# KiCad board keyboard.kicad_pcb
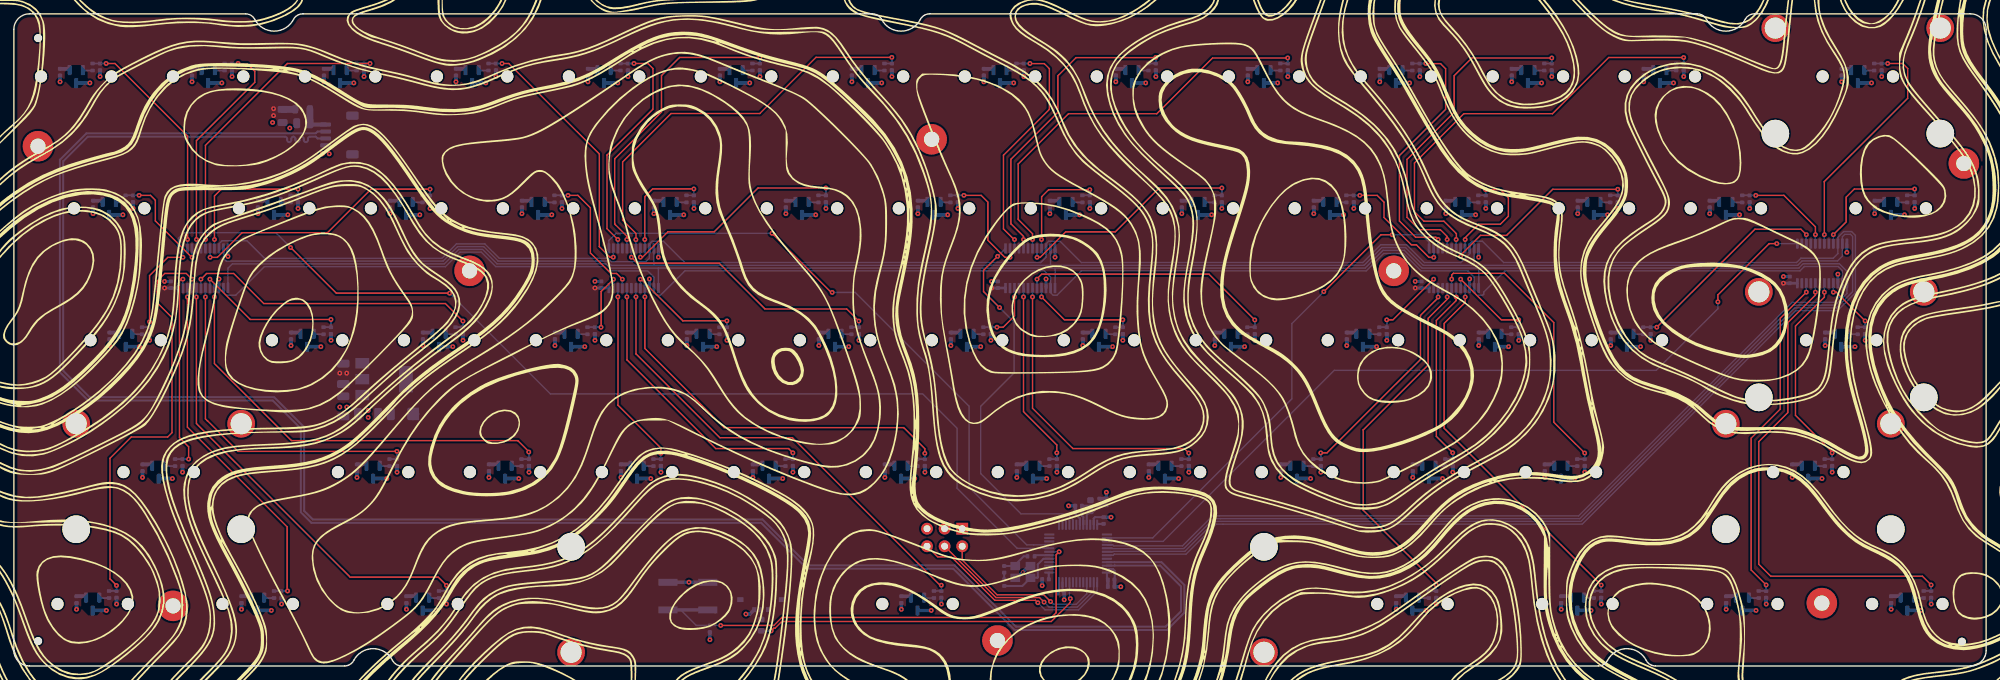
[diagram p0: board, top side]
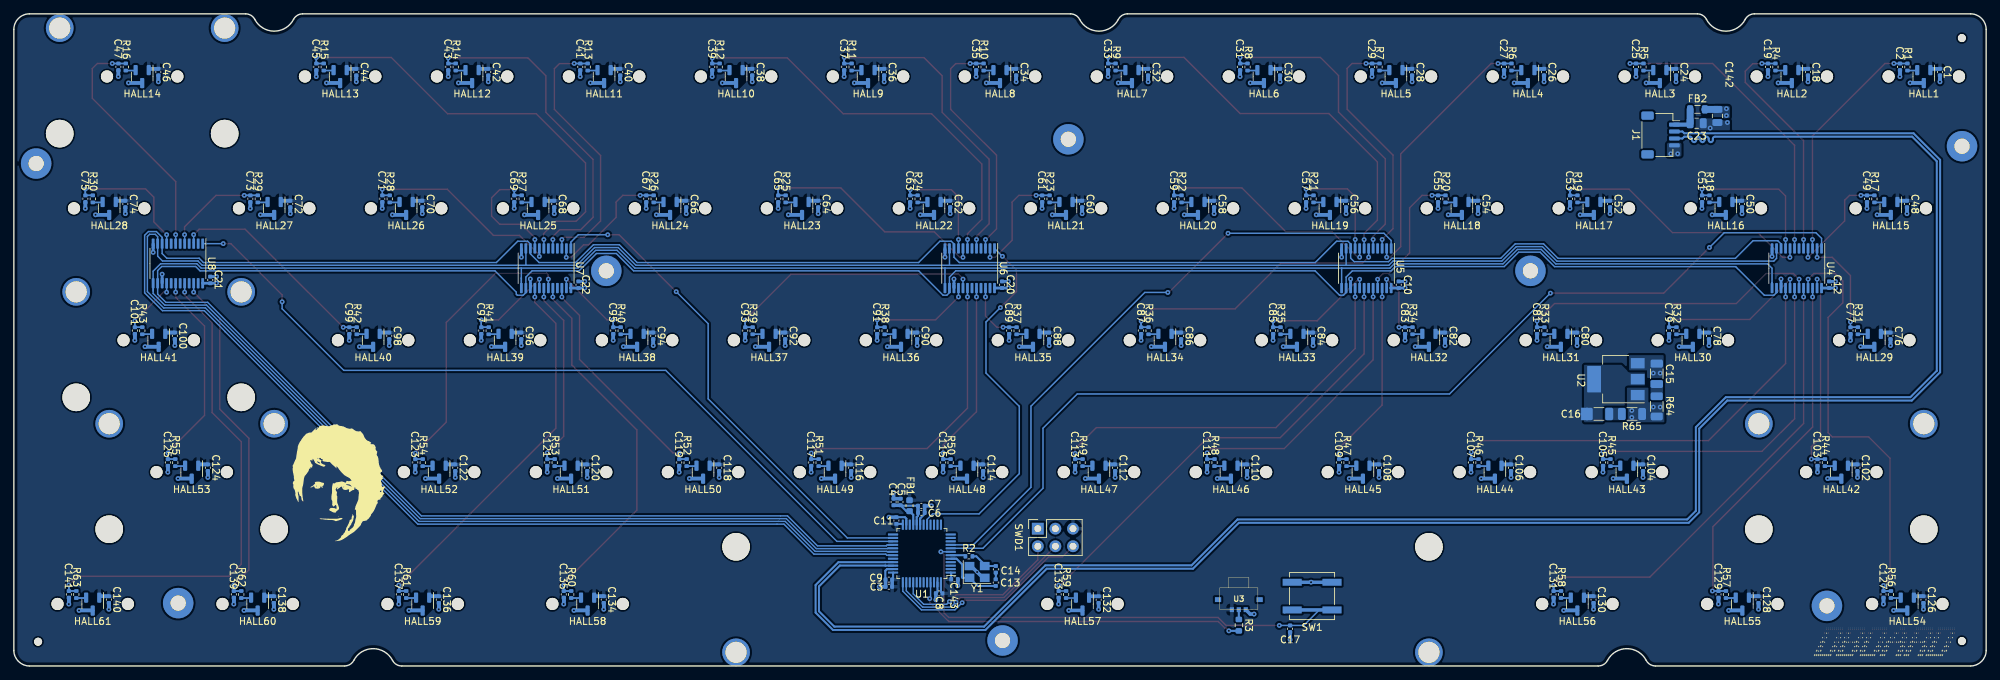
[diagram p1: board, bottom side, seen from below]

Outline 284.7 x 94.2 mm; copper layers: Top, In1.Cu (plane), In2.Cu (plane), Bottom. Coordinates in mm from the lower left corner of the outline.
Outline path: 0,91.95 arc(0.66,93.54) 2.25,94.2 33.45,94.2 arc(34.23,93.98) 34.78,93.39 arc(37.57,91.7) 40.37,93.39 arc(40.92,93.98) 41.7,94.2 123.94,94.2 arc(124.72,93.98) 125.27,93.39 arc(128.06,91.7) 130.86,93.39 arc(131.41,93.98) 132.19,94.2 243,94.2 arc(243.78,93.98) 244.33,93.39 arc(247.12,91.7) 249.92,93.39 arc(250.47,93.98) 251.25,94.2 282.45,94.2 arc(284.04,93.54) 284.7,91.95 284.7,2.25 arc(284.04,0.66) 282.45,0 236.96,0 arc(236.18,0.22) 235.63,0.81 arc(232.84,2.5) 230.04,0.81 arc(229.49,0.22) 228.71,0 55.99,0 arc(55.21,0.22) 54.66,0.81 arc(51.86,2.5) 49.07,0.81 arc(48.52,0.22) 47.74,0 2.25,0 arc(0.66,0.66) 0,2.25 0,91.95
Stack: Top 0.035mm / dielectric 0.2104mm FR4 er 4.4 / In1.Cu 0.0152mm / dielectric 1.065mm FR4 er 4.6 / In2.Cu 0.0152mm / dielectric 0.2104mm FR4 er 4.6 / Bottom 0.035mm

## Placement (name value [footprint] x y rotation side)
C1  100n  [C_0402_1005Metric]  6.67 85.79 270 bottom
C2  100n  [C_0402_1005Metric]  12.44 86.54 270 bottom
C3  4u7/10v  [C_0402_1005Metric]  158.39 11.44 0 bottom
C4  10nf/10v  [C_0402_1005Metric]  157.71 23.69 90 bottom
C5  1uf/10v  [C_0402_1005Metric]  156.71 23.69 90 bottom
C6  1uf/10v  [C_0402_1005Metric]  153.7 22.13 180 bottom
C7  10nf/10v  [C_0402_1005Metric]  153.7 23.13 180 bottom
C8  100nf  [C_0402_1005Metric]  151.13 10.48 0 bottom
C9  100nf  [C_0402_1005Metric]  158.39 12.47 0 bottom
C10  100n  [C_0402_1005Metric]  84.79 55.07 90 bottom
C11  100nf  [C_0402_1005Metric]  157.3 21 90 bottom
C12  100n  [C_0402_1005Metric]  22.66 55.07 90 bottom
C13  33pf  [C_0402_1005Metric]  142.96 12.04 90 bottom
C14  33pf  [C_0402_1005Metric]  142.95 13.96 270 bottom
C15  10u  [C_1206_3216Metric]  47.55 42.2 270 bottom
C16  100u  [C_1206_3216Metric]  55.89 36.4 180 bottom
C17  100nf  [C_0402_1005Metric]  100.47 5.37 90 bottom
C18  100n  [C_0402_1005Metric]  25.72 85.79 270 bottom
C19  100n  [C_0402_1005Metric]  31.49 86.54 270 bottom
C20  100n  [C_0402_1005Metric]  142.05 55.07 90 bottom
C21  100n  [C_0402_1005Metric]  256.35 55.76 90 bottom
C22  100n  [C_0402_1005Metric]  203.2 55.07 90 bottom
C23  2u2  [C_0805_2012Metric]  41.78 78.4 180 bottom
C24  100n  [C_0402_1005Metric]  44.77 85.79 270 bottom
C25  100n  [C_0402_1005Metric]  50.54 86.54 270 bottom
C26  100n  [C_0402_1005Metric]  63.82 85.79 270 bottom
C27  100n  [C_0402_1005Metric]  69.59 86.54 270 bottom
C28  100n  [C_0402_1005Metric]  82.87 85.79 270 bottom
C29  100n  [C_0402_1005Metric]  88.64 86.54 270 bottom
C30  100n  [C_0402_1005Metric]  101.92 85.79 270 bottom
C31  100n  [C_0402_1005Metric]  107.69 86.54 270 bottom
C32  100n  [C_0402_1005Metric]  120.97 85.79 270 bottom
C33  100n  [C_0402_1005Metric]  126.74 86.54 270 bottom
C34  100n  [C_0402_1005Metric]  140.02 85.79 270 bottom
C35  100n  [C_0402_1005Metric]  145.79 86.54 270 bottom
C36  100n  [C_0402_1005Metric]  159.07 85.79 270 bottom
C37  100n  [C_0402_1005Metric]  164.84 86.54 270 bottom
C38  100n  [C_0402_1005Metric]  178.12 85.79 270 bottom
C39  100n  [C_0402_1005Metric]  183.89 86.54 270 bottom
C40  100n  [C_0402_1005Metric]  197.17 85.79 270 bottom
C41  100n  [C_0402_1005Metric]  202.94 86.54 270 bottom
C42  100n  [C_0402_1005Metric]  216.22 85.79 270 bottom
C43  100n  [C_0402_1005Metric]  221.99 86.54 270 bottom
C44  100n  [C_0402_1005Metric]  235.27 85.79 270 bottom
C45  100n  [C_0402_1005Metric]  241.04 86.54 270 bottom
C46  100n  [C_0402_1005Metric]  263.84 85.79 270 bottom
C47  100n  [C_0402_1005Metric]  269.61 86.54 270 bottom
C48  100n  [C_0402_1005Metric]  11.43 66.74 270 bottom
C49  100n  [C_0402_1005Metric]  17.2 67.49 270 bottom
C50  100n  [C_0402_1005Metric]  35.24 66.74 270 bottom
C51  100n  [C_0402_1005Metric]  41.01 67.49 270 bottom
C52  100n  [C_0402_1005Metric]  54.29 66.74 270 bottom
C53  100n  [C_0402_1005Metric]  60.06 67.49 270 bottom
C54  100n  [C_0402_1005Metric]  73.34 66.74 270 bottom
C55  100n  [C_0402_1005Metric]  79.11 67.49 270 bottom
C56  100n  [C_0402_1005Metric]  92.39 66.74 270 bottom
C57  100n  [C_0402_1005Metric]  98.16 67.49 270 bottom
C58  100n  [C_0402_1005Metric]  111.44 66.74 270 bottom
C59  100n  [C_0402_1005Metric]  117.21 67.49 270 bottom
C60  100n  [C_0402_1005Metric]  130.49 66.74 270 bottom
C61  100n  [C_0402_1005Metric]  136.26 67.49 270 bottom
C62  100n  [C_0402_1005Metric]  149.54 66.74 270 bottom
C63  100n  [C_0402_1005Metric]  155.31 67.49 270 bottom
C64  100n  [C_0402_1005Metric]  168.59 66.74 270 bottom
C65  100n  [C_0402_1005Metric]  174.36 67.49 270 bottom
C66  100n  [C_0402_1005Metric]  187.64 66.74 270 bottom
C67  100n  [C_0402_1005Metric]  193.41 67.49 270 bottom
C68  100n  [C_0402_1005Metric]  206.69 66.74 270 bottom
C69  100n  [C_0402_1005Metric]  212.46 67.49 270 bottom
C70  100n  [C_0402_1005Metric]  225.74 66.74 270 bottom
C71  100n  [C_0402_1005Metric]  231.51 67.49 270 bottom
C72  100n  [C_0402_1005Metric]  244.79 66.74 270 bottom
C73  100n  [C_0402_1005Metric]  250.56 67.49 270 bottom
C74  100n  [C_0402_1005Metric]  268.6 66.74 270 bottom
C75  100n  [C_0402_1005Metric]  274.37 67.49 270 bottom
C76  100n  [C_0402_1005Metric]  13.81 47.69 270 bottom
C77  100n  [C_0402_1005Metric]  19.58 48.44 270 bottom
C78  100n  [C_0402_1005Metric]  40 47.69 270 bottom
C79  100n  [C_0402_1005Metric]  45.77 48.44 270 bottom
C80  100n  [C_0402_1005Metric]  59.05 47.69 270 bottom
C81  100n  [C_0402_1005Metric]  64.82 48.44 270 bottom
C82  100n  [C_0402_1005Metric]  78.1 47.69 270 bottom
C83  100n  [C_0402_1005Metric]  83.87 48.44 270 bottom
C84  100n  [C_0402_1005Metric]  97.15 47.69 270 bottom
C85  100n  [C_0402_1005Metric]  102.92 48.44 270 bottom
C86  100n  [C_0402_1005Metric]  116.2 47.69 270 bottom
C87  100n  [C_0402_1005Metric]  121.97 48.44 270 bottom
C88  100n  [C_0402_1005Metric]  135.25 47.69 270 bottom
C89  100n  [C_0402_1005Metric]  141.02 48.44 270 bottom
C90  100n  [C_0402_1005Metric]  154.3 47.69 270 bottom
C91  100n  [C_0402_1005Metric]  160.07 48.44 270 bottom
C92  100n  [C_0402_1005Metric]  173.35 47.69 270 bottom
C93  100n  [C_0402_1005Metric]  179.12 48.44 270 bottom
C94  100n  [C_0402_1005Metric]  192.4 47.69 270 bottom
C95  100n  [C_0402_1005Metric]  198.17 48.44 270 bottom
C96  100n  [C_0402_1005Metric]  211.45 47.69 270 bottom
C97  100n  [C_0402_1005Metric]  217.22 48.44 270 bottom
C98  100n  [C_0402_1005Metric]  230.5 47.69 270 bottom
C99  100n  [C_0402_1005Metric]  236.27 48.44 270 bottom
C100  100n  [C_0402_1005Metric]  261.46 47.69 270 bottom
C101  100n  [C_0402_1005Metric]  267.23 48.44 270 bottom
C102  100n  [C_0402_1005Metric]  18.57 28.64 270 bottom
C103  100n  [C_0402_1005Metric]  24.34 29.39 270 bottom
C104  100n  [C_0402_1005Metric]  49.53 28.64 270 bottom
C105  100n  [C_0402_1005Metric]  55.3 29.39 270 bottom
C106  100n  [C_0402_1005Metric]  68.58 28.64 270 bottom
C107  100n  [C_0402_1005Metric]  74.35 29.39 270 bottom
C108  100n  [C_0402_1005Metric]  87.63 28.64 270 bottom
C109  100n  [C_0402_1005Metric]  93.4 29.39 270 bottom
C110  100n  [C_0402_1005Metric]  106.68 28.64 270 bottom
C111  100n  [C_0402_1005Metric]  112.45 29.39 270 bottom
C112  100n  [C_0402_1005Metric]  125.73 28.64 270 bottom
C113  100n  [C_0402_1005Metric]  131.5 29.39 270 bottom
C114  100n  [C_0402_1005Metric]  144.78 28.64 270 bottom
C115  100n  [C_0402_1005Metric]  150.55 29.39 270 bottom
C116  100n  [C_0402_1005Metric]  163.83 28.64 270 bottom
C117  100n  [C_0402_1005Metric]  169.6 29.39 270 bottom
C118  100n  [C_0402_1005Metric]  182.88 28.64 270 bottom
C119  100n  [C_0402_1005Metric]  188.65 29.39 270 bottom
C120  100n  [C_0402_1005Metric]  201.93 28.64 270 bottom
C121  100n  [C_0402_1005Metric]  207.7 29.39 270 bottom
C122  100n  [C_0402_1005Metric]  220.98 28.64 270 bottom
C123  100n  [C_0402_1005Metric]  226.75 29.39 270 bottom
C124  100n  [C_0402_1005Metric]  256.7 28.64 270 bottom
C125  100n  [C_0402_1005Metric]  262.47 29.39 270 bottom
C126  100n  [C_0402_1005Metric]  9.05 9.59 270 bottom
C127  100n  [C_0402_1005Metric]  14.82 10.34 270 bottom
C128  100n  [C_0402_1005Metric]  32.86 9.59 270 bottom
C129  100n  [C_0402_1005Metric]  38.63 10.34 270 bottom
C130  100n  [C_0402_1005Metric]  56.67 9.59 270 bottom
C131  100n  [C_0402_1005Metric]  62.44 10.34 270 bottom
C132  100n  [C_0402_1005Metric]  128.11 9.59 270 bottom
C133  100n  [C_0402_1005Metric]  133.88 10.34 270 bottom
C134  100n  [C_0402_1005Metric]  199.55 9.59 270 bottom
C135  100n  [C_0402_1005Metric]  205.32 10.34 270 bottom
C136  100n  [C_0402_1005Metric]  223.36 9.59 270 bottom
C137  100n  [C_0402_1005Metric]  229.13 10.34 270 bottom
C138  100n  [C_0402_1005Metric]  247.17 9.59 270 bottom
C139  100n  [C_0402_1005Metric]  252.94 10.34 270 bottom
C140  100n  [C_0402_1005Metric]  270.99 9.59 270 bottom
C141  100n  [C_0402_1005Metric]  276.76 10.34 270 bottom
C142  2u2  [C_0805_2012Metric]  38.79 79.45 270 bottom
C143  100nf  [C_0402_1005Metric]  148.91 12.52 180 bottom
FB1  600 @ 100Mhz  [L_0603_1608Metric]  155.41 23.15 90 bottom
FB2  120R @ 100MHz  [L_0805_2012Metric]  41.66 80.4 180 bottom
G***  -  [LOGO]  142.32 38.86 0 top
G***#2  -  [LOGO]  238.15 26.87 180 bottom
G***#3  -  [LOGO]  13.05 3.36 180 bottom
H1  MountingHole  [MountingHole_2.2mm_M2_Pad]  3.48 75.08 0 top
H2  MountingHole  [MountingHole_2.2mm_M2_Pad]  132.48 76.08 0 top
H3  MountingHole  [MountingHole_2.2mm_M2_Pad]  281.48 72.58 0 top
H4  MountingHole  [MountingHole_2.2mm_M2_Pad]  65.78 57.08 0 top
H5  MountingHole  [MountingHole_2.2mm_M2_Pad]  199.18 57.08 0 top
H6  MountingHole  [MountingHole_2.2mm_M2_Pad]  22.98 8.68 0 top
H7  MountingHole  [MountingHole_2.2mm_M2_Pad]  141.98 3.68 0 top
H8  MountingHole  [MountingHole_2.2mm_M2_Pad]  260.98 9.08 0 top
HALL1  SLSS49E-3  [SLSS49E-3 with MX holes 3]  9 85.16 180 bottom
HALL2  SLSS49E-3  [SLSS49E-3 with MX holes 3]  28.05 85.16 180 bottom
HALL3  SLSS49E-3  [SLSS49E-3 with MX holes 3]  47.1 85.16 180 bottom
HALL4  SLSS49E-3  [SLSS49E-3 with MX holes 3]  66.15 85.16 180 bottom
HALL5  SLSS49E-3  [SLSS49E-3 with MX holes 3]  85.2 85.16 180 bottom
HALL6  SLSS49E-3  [SLSS49E-3 with MX holes 3]  104.25 85.16 180 bottom
HALL7  SLSS49E-3  [SLSS49E-3 with MX holes 3]  123.3 85.16 180 bottom
HALL8  SLSS49E-3  [SLSS49E-3 with MX holes 3]  142.35 85.16 180 bottom
HALL9  SLSS49E-3  [SLSS49E-3 with MX holes 3]  161.4 85.16 180 bottom
HALL10  SLSS49E-3  [SLSS49E-3 with MX holes 3]  180.45 85.16 180 bottom
HALL11  SLSS49E-3  [SLSS49E-3 with MX holes 3]  199.5 85.16 180 bottom
HALL12  SLSS49E-3  [SLSS49E-3 with MX holes 3]  218.55 85.16 180 bottom
HALL13  SLSS49E-3  [SLSS49E-3 with MX holes 3]  237.6 85.16 180 bottom
HALL14  SLSS49E-3  [SLSS49E-3 with MX holes 3]  266.17 85.16 180 bottom
HALL15  SLSS49E-3  [SLSS49E-3 with MX holes 3]  13.76 66.11 180 bottom
HALL16  SLSS49E-3  [SLSS49E-3 with MX holes 3]  37.57 66.11 180 bottom
HALL17  SLSS49E-3  [SLSS49E-3 with MX holes 3]  56.62 66.11 180 bottom
HALL18  SLSS49E-3  [SLSS49E-3 with MX holes 3]  75.67 66.11 180 bottom
HALL19  SLSS49E-3  [SLSS49E-3 with MX holes 3]  94.72 66.11 180 bottom
HALL20  SLSS49E-3  [SLSS49E-3 with MX holes 3]  113.77 66.11 180 bottom
HALL21  SLSS49E-3  [SLSS49E-3 with MX holes 3]  132.82 66.11 180 bottom
HALL22  SLSS49E-3  [SLSS49E-3 with MX holes 3]  151.87 66.11 180 bottom
HALL23  SLSS49E-3  [SLSS49E-3 with MX holes 3]  170.92 66.11 180 bottom
HALL24  SLSS49E-3  [SLSS49E-3 with MX holes 3]  189.97 66.11 180 bottom
HALL25  SLSS49E-3  [SLSS49E-3 with MX holes 3]  209.02 66.11 180 bottom
HALL26  SLSS49E-3  [SLSS49E-3 with MX holes 3]  228.07 66.11 180 bottom
HALL27  SLSS49E-3  [SLSS49E-3 with MX holes 3]  247.12 66.11 180 bottom
HALL28  SLSS49E-3  [SLSS49E-3 with MX holes 3]  270.94 66.11 180 bottom
HALL29  SLSS49E-3  [SLSS49E-3 with MX holes 3]  16.14 47.06 180 bottom
HALL30  SLSS49E-3  [SLSS49E-3 with MX holes 3]  42.34 47.06 180 bottom
HALL31  SLSS49E-3  [SLSS49E-3 with MX holes 3]  61.39 47.06 180 bottom
HALL32  SLSS49E-3  [SLSS49E-3 with MX holes 3]  80.44 47.06 180 bottom
HALL33  SLSS49E-3  [SLSS49E-3 with MX holes 3]  99.49 47.06 180 bottom
HALL34  SLSS49E-3  [SLSS49E-3 with MX holes 3]  118.54 47.06 180 bottom
HALL35  SLSS49E-3  [SLSS49E-3 with MX holes 3]  137.59 47.06 180 bottom
HALL36  SLSS49E-3  [SLSS49E-3 with MX holes 3]  156.64 47.06 180 bottom
HALL37  SLSS49E-3  [SLSS49E-3 with MX holes 3]  175.69 47.06 180 bottom
HALL38  SLSS49E-3  [SLSS49E-3 with MX holes 3]  194.74 47.06 180 bottom
HALL39  SLSS49E-3  [SLSS49E-3 with MX holes 3]  213.79 47.06 180 bottom
HALL40  SLSS49E-3  [SLSS49E-3 with MX holes 3]  232.84 47.06 180 bottom
HALL41  SLSS49E-3  [SLSS49E-3 with MX holes 3]  263.79 47.06 180 bottom
HALL42  SLSS49E-3  [SLSS49E-3 with MX holes 3]  20.91 28.01 180 bottom
HALL43  SLSS49E-3  [SLSS49E-3 with MX holes 3]  51.86 28.01 180 bottom
HALL44  SLSS49E-3  [SLSS49E-3 with MX holes 3]  70.91 28.01 180 bottom
HALL45  SLSS49E-3  [SLSS49E-3 with MX holes 3]  89.96 28.01 180 bottom
HALL46  SLSS49E-3  [SLSS49E-3 with MX holes 3]  109.01 28.01 180 bottom
HALL47  SLSS49E-3  [SLSS49E-3 with MX holes 3]  128.06 28.01 180 bottom
HALL48  SLSS49E-3  [SLSS49E-3 with MX holes 3]  147.11 28.01 180 bottom
HALL49  SLSS49E-3  [SLSS49E-3 with MX holes 3]  166.16 28.01 180 bottom
HALL50  SLSS49E-3  [SLSS49E-3 with MX holes 3]  185.21 28.01 180 bottom
HALL51  SLSS49E-3  [SLSS49E-3 with MX holes 3]  204.26 28.01 180 bottom
HALL52  SLSS49E-3  [SLSS49E-3 with MX holes 3]  223.31 28.01 180 bottom
HALL53  SLSS49E-3  [SLSS49E-3 with MX holes 3]  259.03 28.01 180 bottom
HALL54  SLSS49E-3  [SLSS49E-3 with MX holes 3]  11.38 8.96 180 bottom
HALL55  SLSS49E-3  [SLSS49E-3 with MX holes 3]  35.19 8.96 180 bottom
HALL56  SLSS49E-3  [SLSS49E-3 with MX holes 3]  59.01 8.96 180 bottom
HALL57  SLSS49E-3  [SLSS49E-3 with MX holes 3]  130.44 8.96 180 bottom
HALL58  SLSS49E-3  [SLSS49E-3 with MX holes 3]  201.88 8.96 180 bottom
HALL59  SLSS49E-3  [SLSS49E-3 with MX holes 3]  225.69 8.96 180 bottom
HALL60  SLSS49E-3  [SLSS49E-3 with MX holes 3]  249.51 8.96 180 bottom
HALL61  SLSS49E-3  [SLSS49E-3 with MX holes 3]  273.32 8.96 180 bottom
J1  JST SH 4-pin  [JST_SH_SM04B-SRSS-TB_1x04-1MP_P1.00mm_Horizontal]  47 76.7 270 bottom
NT1  NetTie_2  [NetTie-2_SMD_Pad0.5mm]  57.98 36.4 0 bottom
R1  10k  [R_0402_1005Metric]  11.37 86.52 270 bottom
R2  270  [R_0402_1005Metric]  146.83 15.84 180 bottom
R3  10K  [R_0603_1608Metric]  107.87 5.89 270 bottom
R4  10k  [R_0402_1005Metric]  30.42 86.52 270 bottom
R5  10k  [R_0402_1005Metric]  49.47 86.52 270 bottom
R6  10k  [R_0402_1005Metric]  68.52 86.52 270 bottom
R7  10k  [R_0402_1005Metric]  87.57 86.52 270 bottom
R8  10k  [R_0402_1005Metric]  106.62 86.52 270 bottom
R9  10k  [R_0402_1005Metric]  125.67 86.52 270 bottom
R10  10k  [R_0402_1005Metric]  144.72 86.52 270 bottom
R11  10k  [R_0402_1005Metric]  163.77 86.52 270 bottom
R12  10k  [R_0402_1005Metric]  182.82 86.52 270 bottom
R13  10k  [R_0402_1005Metric]  201.87 86.52 270 bottom
R14  10k  [R_0402_1005Metric]  220.92 86.52 270 bottom
R15  10k  [R_0402_1005Metric]  239.97 86.52 270 bottom
R16  10k  [R_0402_1005Metric]  268.54 86.52 270 bottom
R17  10k  [R_0402_1005Metric]  16.13 67.47 270 bottom
R18  10k  [R_0402_1005Metric]  39.94 67.47 270 bottom
R19  10k  [R_0402_1005Metric]  58.99 67.47 270 bottom
R20  10k  [R_0402_1005Metric]  78.04 67.47 270 bottom
R21  10k  [R_0402_1005Metric]  97.09 67.47 270 bottom
R22  10k  [R_0402_1005Metric]  116.14 67.47 270 bottom
R23  10k  [R_0402_1005Metric]  135.19 67.47 270 bottom
R24  10k  [R_0402_1005Metric]  154.24 67.47 270 bottom
R25  10k  [R_0402_1005Metric]  173.29 67.47 270 bottom
R26  10k  [R_0402_1005Metric]  192.34 67.47 270 bottom
R27  10k  [R_0402_1005Metric]  211.39 67.47 270 bottom
R28  10k  [R_0402_1005Metric]  230.44 67.47 270 bottom
R29  10k  [R_0402_1005Metric]  249.49 67.47 270 bottom
R30  10k  [R_0402_1005Metric]  273.3 67.47 270 bottom
R31  10k  [R_0402_1005Metric]  18.51 48.42 270 bottom
R32  10k  [R_0402_1005Metric]  44.7 48.42 270 bottom
R33  10k  [R_0402_1005Metric]  63.75 48.42 270 bottom
R34  10k  [R_0402_1005Metric]  82.8 48.42 270 bottom
R35  10k  [R_0402_1005Metric]  101.85 48.42 270 bottom
R36  10k  [R_0402_1005Metric]  120.9 48.42 270 bottom
R37  10k  [R_0402_1005Metric]  139.95 48.42 270 bottom
R38  10k  [R_0402_1005Metric]  159 48.42 270 bottom
R39  10k  [R_0402_1005Metric]  178.05 48.42 270 bottom
R40  10k  [R_0402_1005Metric]  197.1 48.42 270 bottom
R41  10k  [R_0402_1005Metric]  216.15 48.42 270 bottom
R42  10k  [R_0402_1005Metric]  235.2 48.42 270 bottom
R43  10k  [R_0402_1005Metric]  266.16 48.42 270 bottom
R44  10k  [R_0402_1005Metric]  23.27 29.37 270 bottom
R45  10k  [R_0402_1005Metric]  54.23 29.37 270 bottom
R46  10k  [R_0402_1005Metric]  73.28 29.37 270 bottom
R47  10k  [R_0402_1005Metric]  92.33 29.37 270 bottom
R48  10k  [R_0402_1005Metric]  111.38 29.37 270 bottom
R49  10k  [R_0402_1005Metric]  130.43 29.37 270 bottom
R50  10k  [R_0402_1005Metric]  149.48 29.37 270 bottom
R51  10k  [R_0402_1005Metric]  168.53 29.37 270 bottom
R52  10k  [R_0402_1005Metric]  187.58 29.37 270 bottom
R53  10k  [R_0402_1005Metric]  206.63 29.37 270 bottom
R54  10k  [R_0402_1005Metric]  225.68 29.37 270 bottom
R55  10k  [R_0402_1005Metric]  261.4 29.37 270 bottom
R56  10k  [R_0402_1005Metric]  13.75 10.32 270 bottom
R57  10k  [R_0402_1005Metric]  37.56 10.32 270 bottom
R58  10k  [R_0402_1005Metric]  61.37 10.32 270 bottom
R59  10k  [R_0402_1005Metric]  132.81 10.32 270 bottom
R60  10k  [R_0402_1005Metric]  204.25 10.32 270 bottom
R61  10k  [R_0402_1005Metric]  228.06 10.32 270 bottom
R62  10k  [R_0402_1005Metric]  251.87 10.32 270 bottom
R63  10k  [R_0402_1005Metric]  275.69 10.32 270 bottom
R64  1  [R_1206_3216Metric]  47.55 37.5 270 bottom
R65  1  [R_1206_3216Metric]  51.12 36.4 180 bottom
S1  MX_stab_2u  [STAB_MX_P_2u]  266.17 85.16 0 top
S2  2.25u  [STAB_MX_P_2.25u]  263.79 47.06 0 top
S3  2.25u  [STAB_MX_P_2.25u]  20.91 28.01 0 top
S4  2.75u  [STAB_MX_P_2.75u]  259.03 28.01 0 top
S5  6.25u  [STAB_MX_P_6.25u]  130.44 8.96 180 top
SW1  -  [SW_SPST_B3SL-1002P]  97.3 10.09 0 bottom
SWD1  Conn_02x03_Odd_Even  [PinSocket_2x03_P2.54mm_Vertical]  136.89 19.83 90 bottom
TH1  -  [ToolingHole]  3.47 90.11 0 top
TH2  -  [ToolingHole]  3.47 3.01 0 top
TH3  -  [ToolingHole]  281.17 2.91 0 top
U1  STM32G473CBTx  [LQFP-48_7x7mm_P0.5mm]  153.62 16.24 0 bottom
U2  AMS1117-3.3  [SOT-223-3_TabPin2]  53.44 41.43 0 bottom
U3  -  [SSAJ120100]  107.87 9.43 0 bottom
U4  74HC4067  [TSSOP-24_4.4x7.8mm_P0.65mm]  27.33 57.45 270 bottom
U5  74HC4067  [TSSOP-24_4.4x7.8mm_P0.65mm]  89.46 57.45 270 bottom
U6  74HC4067  [TSSOP-24_4.4x7.8mm_P0.65mm]  146.72 57.45 270 bottom
U7  74HC4067  [TSSOP-24_4.4x7.8mm_P0.65mm]  207.87 57.45 270 bottom
U8  74HC4067  [TSSOP-24_4.4x7.8mm_P0.65mm]  261.02 58.14 270 bottom
Y1  20Mhz  [Crystal_SMD_3225-4Pin_3.2x2.5mm]  145.65 13.58 180 bottom

## Library data of the parts
C1-C143 = -: Description: Unpolarized capacitor, small symbol
FB2 = -: Description: Ferrite bead, small symbol
H1-H8 TH1-TH3 = -: Description: Mounting Hole without connection
HALL1-HALL61 = -: Description: 25 mV/mT,±85-mT, 20-kHz, 3.3/5V, SOT-23
J1 = -: Description: Generic connector, single row, 01x04, script generated (kicad-library-utils/schlib/autogen/connector/); LCSC Part #: C160404
NT1 = -: Description: Net tie, 2 pins
R1-R65 = -: Description: Resistor, small symbol
S1-S5 = -: Description: Cherry MX-style stabilizer
SWD1 = -: Description: Generic connector, double row, 02x03, odd/even pin numbering scheme (row 1 odd numbers, row 2 even numbers), script generated (kicad-library-utils/schlib/autogen/connector/)
U1 = -: Description: STMicroelectronics Arm Cortex-M4 MCU, 128KB flash, 128KB RAM, 170 MHz, 1.71-3.6V, 38 GPIO, LQFP48
U2 = -: Description: 1A Low Dropout regulator, positive, 3.3V fixed output, SOT-223
U3 = -: Description: Switch Slide SPDT Raised Slide 0.01A 5VDC 10000Cycle Gull Wing SMD T/R; Availability: In Stock; Check_prices: https://www.snapeda.com/parts/SSAJ120100/ALPS/view-part/?ref=eda; MF: ALPS; Package: None; Price: None; Purchase-URL: https://www.snapeda.com/api/url_track_click_mouser/?unipart_id=725935&manufacturer=ALPS&part_name=SSAJ120100&search_term=None; SnapEDA_Link: https://www.snapeda.com/parts/SSAJ120100/ALPS/view-part/?ref=snap
U4-U8 = -: Description: High-Speed CMOS Logic 16-Channel Analog Multiplexer/Demultiplexer, SOIC-24
Y1 = -: Description: Four pin crystal, GND on pins 2 and 4
